# Altium PCB BLDC_DRV_F1.PcbDoc (continued)
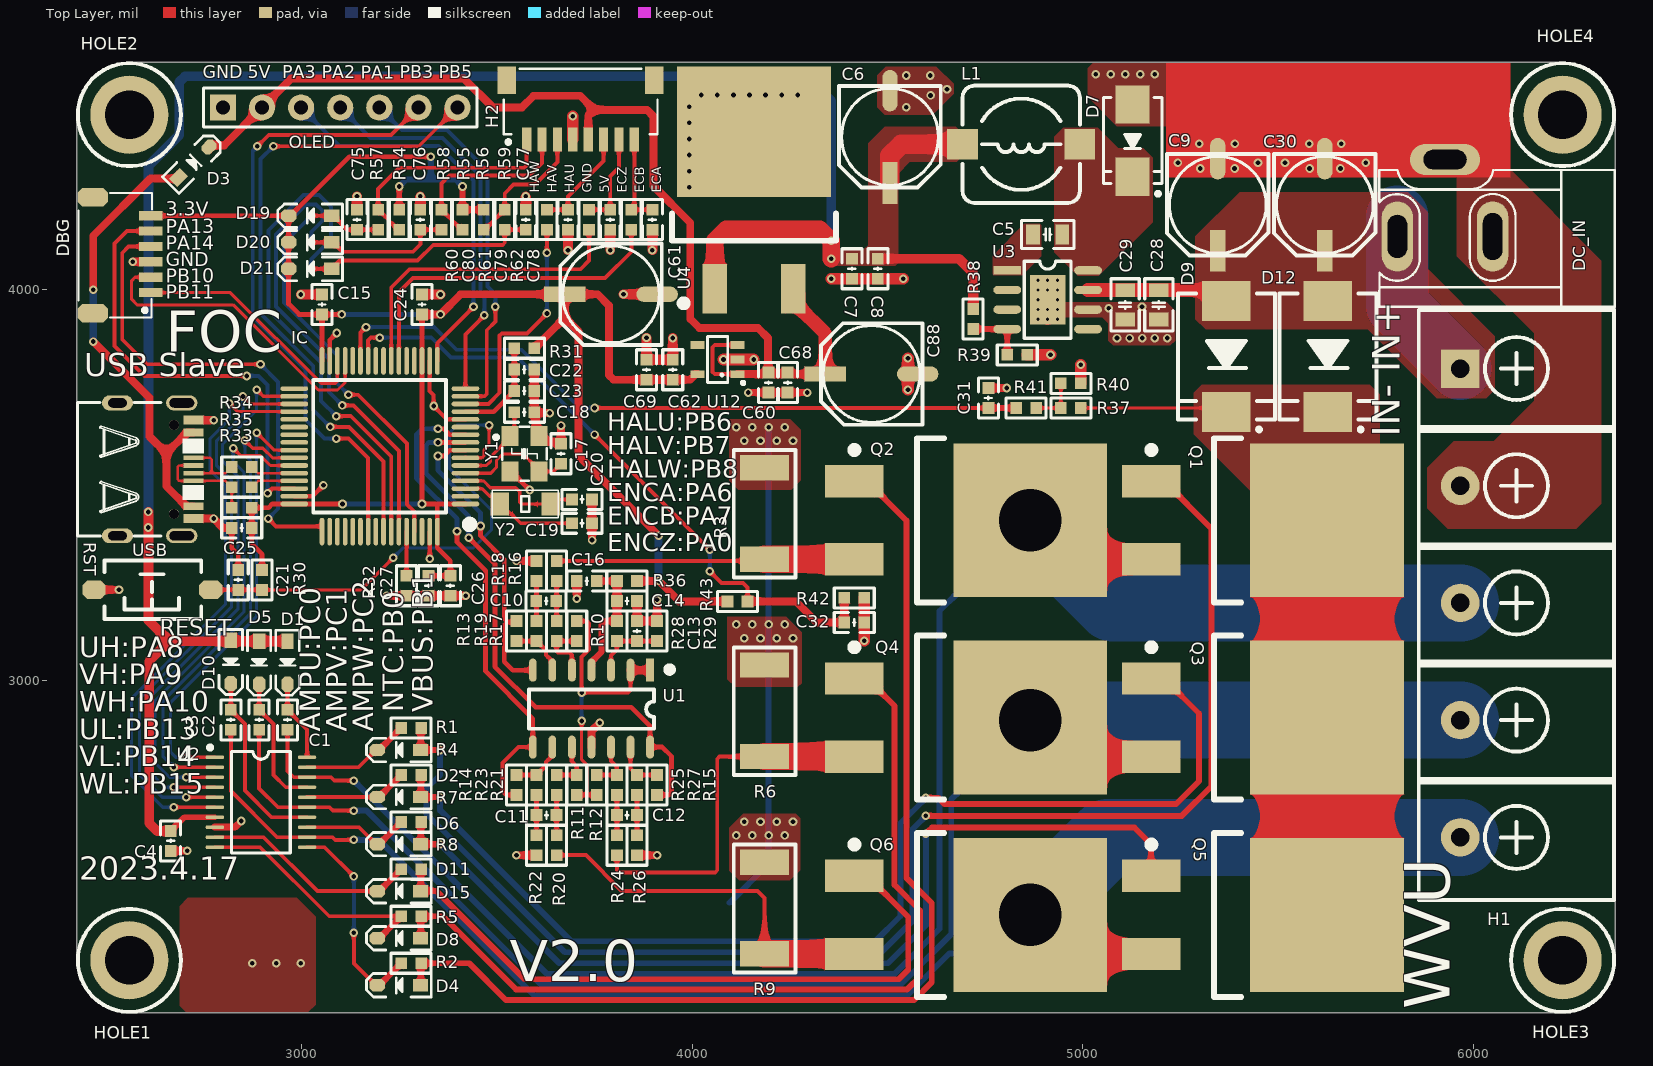
[diagram p0: Top Layer view]
## Nets (pads, with @x,y where several pads share a name; then routed paths per layer and width w, separated by ;. In a path a pad name is that pad's centre, name@x,y a point inside that pad or via, vN(x,y) a via of type N, cw(c..) or ccw(c..) an arc to the next point about the centre after c; other vN are vias at no path point)
BOOT0: IC.60 R32.1 | length 112.9
  Top Layer w10: R32.1 IC.60
CURRENT_U: Q2.3 R3.2 R16.1 | length 763.3
  Top Layer w10: R16.1 4180.7,3306.59 R3.2
  Top Layer w70: R3.2 4413.9,3310.89 Q2.3
CURRENT_V: Q4.3 R6.2 R24.1 | length 938.2
  Top Layer w10: R24.1 3807.14,2514.86 3813,2509 4058.14,2509 4064,2514.86 4064,2800.03 4069.86,2805.89 R6.2
  Top Layer w70: R6.2 4413.9,2805.89 Q4.3
CURRENT_W: Q6.3 R9.2 R20.1 | length 949.9
  Top Layer w10: R20.1 3727.59,2553.41 3819,2462 4167,2462 4185,2444 R9.2
  Top Layer w70: R9.2 4413.9,2300.89 Q6.3
DGND: C4.1 C6.2 C7.1 C8.1 C9.2 C13.2 C14.2 C15.2 C16.2 C17.1 C18.1 C19.1 C20.1 C21.2 C22.2 C23.2 C24.2 C25.2 C26.2 C27.2 C28.1 C29.1 C30.2 C31.1 C32.1 C60.2 C61.2 C62.2 C68.2 C69.2 C75.2 C76.2 C77.2 C78.2 C79.2 C80.2 C88.2 D7.1 DBG.3 DC_IN.2 DC_IN.3 H1.2 H2.4 IC.12 IC.18 IC.31 IC.47 IC.63 OLED.1 R3.1 R6.1 R9.1 R18.1 R22.1 R26.1 R29.2 R32.2 R39.1 R40.2 R42.1 RST.2 U1.11 U2.8 U3.6 U3.9 U4.2 U12.2 USB.1 USB.12 USB.SH1 USB.SH2 USB.SH3 USB.SH4 Y1.2 Y1.4 | length 4839.5
  Top Layer w10: IC.18 3327.95,3741.05 3338,3731 v1(3338,3703) 3372.1,3668.9 IC.12
  Top Layer w12: C25.2 2821.41,3339.59 2838,3323 C21.2 ; IC.47 3028.05,3472.05 v1(3056,3500) ; IC.31 3072.05,3872.05 v1(3090,3890) ; v1(3327.95,3312) IC.63 ; Y1.2@3534.87,3537.13 v1(3584,3488)
  Top Layer w18: C4.1 v1(2707.41,2564.41) ; U2.8 2830.02,2625.02 v1(2846,2641) ; v1(4143.41,3737.41) C60.2 C68.2 v1(4294.59,3737.41)
  Top Layer w20: RST.2 v1(2532.8,3232.8) ; v1(2568,4072) DBG.3 ; USB.12 v1(2775,3414.96) 2798.96,3391 C25.2 ; USB.1 v1(2775,3666.93) ; v1(3218.01,3217.41) R32.2 C27.2 C26.2 v1(3420.59,3217.41) ; v1(3550,2553.41) R22.1 ; v1(3550,3306.59) R18.1 ; C22.2 C23.2 C18.1 C18.1@3597.44,3685.38 ; v1(3635,3685) 3634.62,3685.38 C18.1@3597.44,3685.38 ; v1(3664,3653) C17.1 3659,3611.59 3619.65,3611.59 3608,3623.25 Y1.4 3600,3634 3600,3682.82 C18.1@3597.44,3685.38 ; v1(3704.41,3209.59) C16.2 ; U1.11 3742,2871.28 v1(3763.36,2892.64) ; v1(3743.59,3360) C19.1 C20.1 ; R26.1 v1(3910,2553.41) ; C13.2 R29.2 v1(3910,3207) ; C13.2 C14.2 ; C31.1 v1(4805,3749.18) ; D7.1@5127,4468.88 D7.1
  Top Layer w25: v1(2998,3988.59) C15.2 ; C75.2 v1(3142,4240) ; C76.2 v1(3304,4240) ; C24.2 v1(3355.59,3988.59) ; C77.2 v1(3574,4240) ; v1(3682,4102) C80.2 ; v1(3790,4102) C79.2 ; v1(3824,3989) C61.2 ; v1(3883,3878) C69.2 C62.2 v1(3950,3877) ; v1(3898,4102) C78.2
  Top Layer w30: H2.4 v1(3694.32,4444.69) ; v1(4080,3822) U12.2 v1(4157,3822) ; v2(4356,4028.82) C7.1 C8.1 v2(4540,4028.82) ; v1(4440.18,3102) 4440.18,3150 R42.1 ; v1(4552,3745) v1(4552,3825) ; R39.1 v1(4917,3834) ; v3(4909.65,3925) v3(4909.65,3950) U3.9 ; R40.2 v1(4994.59,3809)
  Bottom Layer w15: 4095.69,2431.69 4195.39,2531.39 v1(4195.39,2604) v1(4195.39,3144) v1(4195.39,3649)
  other v1: 2874,2277 2935,2277 2998,2277 4112.26,2604 4153.83,2604 4236.96,2604 4133.04,2639 4174.61,2639 4216.17,2639 4257.74,2639 4133.04,3109 4174.61,3109 4216.17,3109 4257.74,3109 4112.26,3144 4153.83,3144 4236.96,3144 4133.04,3614 4174.61,3614 4216.17,3614 4257.74,3614 4112.26,3649 4153.83,3649 4236.96,3649 5087,3877 5119.25,3877 5151.5,3877 5183.75,3877 5216,3877 5066,3953 5151,3957 5300,4311 5388,4311 5580,4311 5659,4311 5243,4326 5448,4326 5517,4326 5724,4326 5298,4374 5389,4374 5579,4374 5661,4374 4548,4468 4610,4498 4652,4514 4548,4549 4609,4549 5033,4552 5070.75,4552 5108.5,4552 5146.25,4552 5184,4552
  other v2: 3992,4263 3992,4304.2 3992,4345.4 3992,4386.6 3992,4427.8 3992,4469 4023,4499 4064.17,4499 4105.33,4499 4146.5,4499 4187.67,4499 4228.83,4499 4270,4499
  other v3: 4884.65,3925 4934.65,3925 4884.65,3950 4934.65,3950 4884.65,3975 4934.65,3975 4884.65,4000 4909.65,4000 4934.65,4000 4884.65,4025 4909.65,4025 4934.65,4025
ENCA: IC.22 R62.2 | length 870.5
  Top Layer w10: IC.22 3249.21,3995.21 3285,4031 3777,4031 3844,4098 R62.2
ENCB: IC.23 R61.2 | length 802.3
  Top Layer w10: IC.23 3229.53,4006.53 3276,4053 3714,4053 3736,4075 R61.2
ENCZ: IC.14 R60.2 | length 604.5
  Top Layer w10: IC.14 3478.27,3708.27 3507,3737 3507,3883.14 3512.86,3889 3577,3889 v1(3628,3940) ; v1(3628,4095) R60.2
  Bottom Layer w10: v1(3628,3940) v1(3628,4095)
HALLU: C77.1 D21.1 IC.58 R59.2 | length 1925.4
  Top Layer w10: v1(3025,4054) D21.1 3080.94,4054 3091.69,4064.75 3091.69,4068.69 3098,4075 3297,4075 3337,4115 3514.14,4115 3520,4120.86 R59.2 C77.1 ; v1(3089,3677) 3126,3677 3229.53,3573.47 IC.58
  Bottom Layer w10: v1(3025,4054) 3025,4079 3075,4129 3075,4213 3045,4243 3005,4243 2915,4153 2915,3949 3050,3814 3050,3716 v1(3089,3677)
HALLV: C76.1 D20.1 IC.59 R58.2 | length 1544.4
  Top Layer w10: v1(3025,4122) D20.1 3080.94,4122 3104.94,4098 3285,4098 3304,4117 C76.1 R58.2 ; v1(3104.5,3704.5) 3132.5,3704.5 3249.21,3587.79 IC.59
  Bottom Layer w10: v1(3025,4122) 3025,4149 3053,4177 3053,4203 3037,4219 3012,4219 2935,4142 2935,3958 3070,3823 3070,3739 v1(3104.5,3704.5)
HALLW: C75.1 D19.1 IC.61 R57.2 | length 1177.2
  Top Layer w10: v1(3025,4190) D19.1 3080.94,4190 3103,4167.94 3103,4166 3114.59,4154.41 C75.1 R57.2 ; v1(3120,3732) 3145,3732 3270,3607 3270,3451 3288.58,3432.42 IC.61
  Bottom Layer w10: v1(3025,4190) 2955,4120 2955,3968 3090,3833 3090,3762 v1(3120,3732)
HO1: D2.2 R1.1 U2.19 | length 282.5
  Top Layer w10: U2.19 3146.11,2778.57 3190.22,2822.68 D2.2
  Top Layer w15: D2.2 3198.68,2822.68 R1.1
HO2: D6.2 R4.1 U2.16 | length 264.4
  Top Layer w10: U2.16 3014.19,2701.87 3193.81,2701.87 D6.2
  Top Layer w15: D6.2 3198.68,2702.22 R4.1
HO3: D11.2 R7.1 U2.13 | length 282.1
  Top Layer w10: U2.13 3146.96,2625.02 3190.22,2581.76 D11.2
  Top Layer w15: D11.2 3198.68,2581.76 R7.1
INA+: C13.1 R28.2 R29.1 U1.3 | length 183.5
  Top Layer w10: U1.3 3792,3064 3807.14,3079.14 R28.2 C13.1 R29.1
INA-: R10.2 R11.2 R12.2 U1.1 U1.2 | length 766.9
  Top Layer w8: v1(3717,2897) 3717,2798 3730,2785 3730,2707.41
  Top Layer w10: R11.2 3730,2707.41 R12.2 ; R10.2 3730.14,3152.59 3736,3146.73 3736,3080 3717,3061 v1(3717,2969.86) 3836.14,2969.86 3842,2975.72 U1.2
  Top Layer w20: U1.2 U1.1
  Bottom Layer w10: v1(3717,2897) v1(3717,2969.86)
INB+: R10.1 R17.2 U1.5 | length 159.1
  Top Layer w10: U1.5 3692,3066 3686,3072 3656.85,3072 3652.85,3076 R17.2 R10.1
INB-: R13.1 R19.2 U1.6 | length 142.6
  Top Layer w10: R13.1 R19.2 3625.79,3077.05 3625.79,3065.52 3642,3049.31 U1.6
INC+: R11.1 R21.2 U1.10 | length 128.1
  Top Layer w10: R21.2 R11.1 3704.28,2780.72 3692,2793 U1.10
INC-: R14.1 R23.2 U1.9 | length 139.8
  Top Layer w10: R14.1 R23.2 3625.79,2782.95 3625.79,2791.63 3642,2807.84 U1.9
IND+: R12.1 R25.2 U1.12 | length 129.3
  Top Layer w10: R12.1 R25.2 3807.14,2779 3792,2794.14 U1.12
IND-: R15.1 R27.2 U1.13 | length 129.8
  Top Layer w10: U1.13 3842,2775.16 R27.2 R15.1
LO1: D4.2 R2.1 U2.11 | length 540.9
  Top Layer w10: U2.11 3059.16,2573.84 v1(3134,2499) ; v1(3134,2355) 3134,2276.61 3190.22,2220.4 D4.2
  Top Layer w15: D4.2 3198.68,2220.4 R2.1
  Bottom Layer w10: v1(3134,2355) v1(3134,2499)
LO2: D8.2 R5.1 U2.10 | length 634.5
  Top Layer w10: U2.10 2894.16,2573.84 3070.83,2397.17 R5.1 ; D8.2 D8.2@3198.68,2340.85
  Top Layer w15: D8.2@3198.68,2340.85 R5.1
LO3: D15.2 R8.1 U2.9 | length 557.7
  Top Layer w10: U2.9 2902.57,2599.43 3040.69,2461.31 D15.2
  Top Layer w15: D15.2 3198.68,2461.31 R8.1
MOTOR_U: C1.1 H1.3 Q1.3 Q2.2 U2.18 | length 4718.3
  Top Layer w10: C1.1 2964,2769 2980.02,2752.98 3075.02,2752.98 3083.78,2744.22 v1(3134,2744.22)
  Top Layer w80: v4(4865,3410.57) 4965,3310.57 Q1.3
  Bottom Layer w15: v1(3134,2744.22) 3629.22,2249 4517,2249 4633,2365 4633,3178.57 v4(4865,3410.57)
  Bottom Layer w196.85: v4(4865,3410.57) 4865.85,3410.57 5077.43,3199 H1.3
MOTOR_V: C2.1 H1.4 Q3.3 Q4.2 U2.15 | length 4266.7
  Top Layer w10: C2.1 2891.5,2724.5 2939.8,2676.2 U2.15 3071.8,2676.2 3080.55,2667.45 v1(3134,2667.45)
  Top Layer w80: Q4.2 4965,2805.57 Q3.3
  Bottom Layer w15: v1(3134,2667.45) 3166.55,2667.45 3613,2221 4533,2221 4663,2351 4663,2697 v4(4865,2899)
  Bottom Layer w196.85: v4(4865,2899) H1.4
MOTOR_W: C3.1 H1.5 Q5.3 Q6.2 U2.12 | length 4039.2
  Top Layer w10: C3.1 2819,2718 2937.57,2599.43 U2.12 3079.57,2599.43 3086.36,2592.64 v1(3134,2592.64)
  Top Layer w80: v4(4865,2400.57) 4965,2300.57 Q5.3
  Bottom Layer w15: v1(3134,2592.64) 3197.36,2592.64 3597,2193 4549,2193 4658,2302 4766.43,2302 v4(4865,2400.57)
  Bottom Layer w196.85: v4(4865,2400.57) 5063.43,2599 H1.5
NetC5_1: C5.1 D7.2 L1.1 U3.8
NetC5_2: C5.2 U3.1
NetC10_1: C10.1 R16.2 R17.1 | length 102.8
  Top Layer w10: R17.1 R16.2
NetC10_2: C10.2 R18.2 R19.1 | length 102.8
  Top Layer w10: R19.1 R18.2
NetC11_1: C11.1 R20.2 R21.1 | length 102.8
  Top Layer w10: R20.2 R21.1
NetC11_2: C11.2 R22.2 R23.1 | length 102.8
  Top Layer w10: R22.2 R23.1
NetC12_1: C12.1 R24.2 R25.1 | length 102.8
  Top Layer w10: R24.2 R25.1
NetC12_2: C12.2 R26.2 R27.1 | length 102.8
  Top Layer w10: R26.2 R27.1
NetC78_1: C78.1 H2.8 R62.1 | length 236.8
  Top Layer w10: H2.8 3851.8,4213.39 R62.1 C78.1
NetC79_1: C79.1 H2.7 R61.1 | length 242.9
  Top Layer w10: R61.1 C79.1 3790,4291 3812.43,4313.43 H2.7
NetC80_1: C80.1 H2.6 R60.1 | length 271.3
  Top Layer w10: R60.1 C80.1 3682,4239 3773.05,4330.06 H2.6
NetD2_1: D2.1 Q1.1 R1.2 | length 3619.2
  Top Layer w15: R1.2 3305.29,2878.1 3305.29,2823.57 D2.1 v1(3354.78,2822.68) ; v1(4598,2654) 5253,2654 5329,2730 5329,3389.25 5207.68,3510.57 Q1.1
  Bottom Layer w15: v1(3354.78,2822.68) 3354.78,2758.78 3320,2724 3320,2659 3674,2305 4484,2305 4563,2384 4563,2619 v1(4598,2654)
NetD4_1: D4.1 Q2.1 R2.2 | length 2805.9
  Top Layer w15: D4.1 3305.29,2221.29 3305.29,2275.82 R2.2 3429.29,2276.71 3523,2183 4568,2183 4613,2228 4613,2431 4548,2496 4548,3410.25 4481.52,3476.73 4447.68,3510.57 Q2.1
NetD6_1: D6.1 Q3.1 R4.2 | length 2877.5
  Top Layer w15: R4.2 3305.29,2757.64 3305.29,2703.12 D6.1 v1(3354.78,2702.22) ; v1(4598,2700) 4630,2700 4646,2684 5238,2684 5297,2743 5297,2916.25 5207.68,3005.57 Q3.1
  Bottom Layer w15: v1(3354.78,2702.22) 3354.78,2668.22 3690,2333 4468,2333 4533,2398 4533,2635 v1(4598,2700)
NetD8_1: D8.1 Q4.1 R5.2 | length 2277.2
  Top Layer w15: D8.1 3305.29,2341.75 3305.29,2396.27 R5.2 3361.83,2397.17 3549,2210 4550,2210 4583,2243 4583,2412 4518,2477 4518,2935.25 4447.68,3005.57 Q4.1
NetD11_1: D11.1 Q5.1 R7.2 | length 2432.6
  Top Layer w15: R7.2 3305.29,2637.19 3305.29,2582.66 D11.1 v1(3354.78,2581.76) ; v1(4598,2608) 4614,2624 5132,2624 5174.21,2581.79 Q5.1
  Bottom Layer w15: v1(3354.78,2581.76) 3659.54,2277 4501,2277 4598,2374 v1(4598,2608)
NetD15_1: D15.1 Q6.1 R8.2 | length 1725.9
  Top Layer w15: D15.1 D15.1@3305.29,2462.2 ; R8.2 3305.29,2516.73 D15.1@3305.29,2462.2 ; Q6.1 4447.68,2500.57 4553,2395.25 4553,2260.28 4528.72,2236 3571,2236 3344.8,2462.2 D15.1@3305.29,2462.2
NetH2_1: H2.1 R54.1 R57.1 | length 599.4
  Top Layer w10: R54.1 3240,4164.41 3237.18,4164.41 R57.1 3196,4258 3251,4313 3570.35,4313 3576.2,4318.86 H2.1
NetH2_2: H2.2 R55.1 R58.1 | length 482.2
  Top Layer w10: R55.1 3402,4164.41 3399.18,4164.41 R58.1 3358,4273 3378,4293 3584,4293 3615.57,4324.57 H2.2
NetH2_3: H2.3 R56.1 R59.1 | length 342.3
  Top Layer w10: R56.1 3476,4164.41 3478.82,4164.41 R59.1 3520,4247 3543,4270 3597,4270 3654.95,4327.94 H2.3
NetR33_1: R33.1 R35.1 USB.6 USB.8 | length 272.3
  Top Layer w6: USB.6 2686.51,3550.79 2683,3547.27 2683,3514.93 2686.51,3511.42 2804.99,3511.42 R35.1 R33.1
NetR34_1: R34.1 USB.5 USB.7 | length 189.1
  Top Layer w6: USB.7 2770,3531.1 ; USB.5 2765.53,3570.47 2770,3566 2770,3531.1 ; R34.1 2805.51,3531.1 2770,3531.1
NetR37_1: R37.1 R40.1 R41.2 | length 126.2
  Top Layer w8: R41.2 R37.1 R40.1
NetR38_2: R38.2 R39.2 U3.4 | length 153.3
  Top Layer w15: R38.2 U3.4 R39.2
OUTB: IC.8 R13.2 U1.7 | length 785.8
  Top Layer w10: R13.2@3547.41,3150 R13.2
  Top Layer w12: v1(3349.16,3575) 3364,3575 3379.06,3590.06 3419.41,3590.06 IC.8 ; v1(3458,3396) 3458,3371 3519,3310 3519,3158 3527,3150 ; R13.2@3547.41,3150 3527,3150 ; U1.7 3541,3027 3519,3049 3519,3142 3527,3150
  Bottom Layer w12: v1(3349.16,3575) 3349.16,3538.84 3458,3430 v1(3458,3396)
OUTC: IC.10 R14.2 U1.8 | length 1269
  Top Layer w10: R14.2 3522.59,2707.41 3514,2716 3514,2789 3555.15,2830.15 U1.8
  Top Layer w12: v1(3349.16,3645) 3364,3645 3379.38,3629.62 3419.41,3629.62 IC.10 ; v1(3398,3382.34) 3398,3354 3471,3281 3471,3024 3592,2903 U1.8
  Bottom Layer w12: v1(3349.16,3645) 3309,3645 3294,3630 3294,3518 3398,3414 v1(3398,3382.34)
OUTD: IC.9 R15.2 U1.14 | length 1453.1
  Top Layer w12: v1(3349.16,3609.84) IC.9 ; v1(3428,3366.18) 3495,3299.18 3495,3036 3599,2932 3844,2932 3892,2884 U1.14 3922.85,2830.15 3947,2806 3947,2715 3939.41,2707.41 R15.2
  Bottom Layer w12: v1(3349.16,3609.84) 3326.03,3609.84 3319,3602.81 3319,3530 3428,3421 v1(3428,3366.18)
PA1: IC.15 OLED.5 | length 989.6
  Top Layer w10: IC.15 3468.14,3727.95 3474,3733.81 3474,3897 3496,3919 v1(3496,3957)
  Bottom Layer w10: OLED.5 3257,4409 3372,4409 3476,4305 3476,4009 3496,3989 v1(3496,3957)
PA2: IC.16 OLED.4 | length 1000.1
  Top Layer w10: IC.16 3419.5,3886.5 v1(3468,3935)
  Bottom Layer w10: OLED.4 3177,4389 3361,4389 3458,4292 3458,3990 3468,3980 v1(3468,3935)
PA3: IC.17 OLED.3 | length 1018.2
  Top Layer w10: IC.17 3347.64,3864.64 v1(3440,3957)
  Bottom Layer w10: OLED.3 3097,4369 3351,4369 3440,4280 v1(3440,3957)
PA4: IC.20
PA5: IC.21
PA8: IC.41 U2.1 | length 1142.4
  Top Layer w8: v1(2705,2804.16) U2.1 ; v1(2885,3635) 2929.84,3590.16 IC.41
  Bottom Layer w8: v1(2705,2804.16) 2677.84,2804.16 2665,2817 2665,2945 2885,3165 v1(2885,3635)
PA9: IC.42 U2.2 | length 1196.4
  Top Layer w8: v1(2673,2778.57) U2.2 ; v1(2855,3615) 2875,3595 2901,3595 2925.53,3570.47 IC.42
  Bottom Layer w8: v1(2673,2778.57) 2645,2806.57 2645,2947 2869,3171 2869,3564 2855,3578 v1(2855,3615)
PA10: IC.43 U2.3 | length 1254.1
  Top Layer w8: v1(2705,2752.98) U2.3 ; v1(2825,3595) 2844,3576 2895,3576 2920.21,3550.79 IC.43
  Bottom Layer w8: v1(2705,2752.98) 2662.03,2752.98 2625,2790 2625,2949 2853,3177 2853,3533 2825,3561 v1(2825,3595)
PA13: DBG.5 IC.46 | length 1152
  Top Layer w10: DBG.5 2613.61,4151 2553,4151 2521,4119 2521,3857 2598,3780 v1(2860,3780) ; v1(2913,3480) 2924.73,3491.73 IC.46
  Bottom Layer w10: v1(2860,3780) 2890,3780 2913,3757 v1(2913,3480)
PA14: DBG.4 IC.49 | length 1264.4
  Top Layer w10: DBG.4 2557.37,4111.37 2541,4095 2541,3873 2604,3810 v1(2895,3810) ; v1(2915,3415) 2935,3395 3051.53,3395 3052.36,3394.16 IC.49
  Bottom Layer w10: v1(2895,3810) 2940,3765 2940,3440 v1(2915,3415)
PA15: IC.50
PB0: C32.2 IC.26 R42.2 R43.1 | length 1691.5
  Top Layer w10: IC.26 3170.47,3870.47 3178,3878 v1(3200,3878) ; v1(3750,3630) v1(4045,3335) ; v1(4045,3280) 4075,3250 4130,3250 4141.59,3238.41 R43.1
  Top Layer w20: R43.1 4265,3203 4319,3149 C32.2 R42.2
  Bottom Layer w10: v1(3200,3878) 3332,3878 3383,3827 3553,3827 v1(3750,3630) ; v1(4045,3280) v1(4045,3335)
PB1: C31.2 IC.27 R41.1 | length 1842.1
  Top Layer w10: IC.27 3150.79,3890.79 v1(3165,3905) ; v1(3750,3698) C31.2
  Top Layer w15: C31.2 R41.1
  Bottom Layer w10: v1(3165,3905) 3339,3905 3397,3847 3563,3847 3712,3698 v1(3750,3698)
PB2: IC.28
PB3: IC.55 OLED.6 | length 1603.2
  Top Layer w10: v1(2887,4368) 2916,4397 3229,4397 OLED.6 ; v1(3089,3619.7) 3120.3,3619.7 3170.47,3569.53 IC.55
  Bottom Layer w10: v1(2887,4368) 2875,4356 2875,3931 3010,3796 3010,3668 3058.3,3619.7 v1(3089,3619.7)
PB4: IC.56
PB5: IC.57 OLED.7 | length 1670.7
  Top Layer w10: v1(2928,4368) 3300,4368 OLED.7 ; v1(3073.5,3649.5) 3121.5,3649.5 3209.84,3561.16 IC.57
  Bottom Layer w10: v1(2928,4368) 2895,4335 2895,3940 3030,3805 3030,3693 v1(3073.5,3649.5)
PB9: IC.62
PB10: DBG.2 IC.29 | length 806.1
  Top Layer w8: DBG.2 2573.63,4032.63 2565,4024 2565,3976 2579,3962 2825,3962 3043,3744 3092,3744 3111.42,3763.42 IC.29
PB11: DBG.1 IC.30 | length 628.8
  Top Layer w8: DBG.1 2817.74,3993.26 3050,3761 3087.05,3761 3091.73,3765.69 IC.30
PB12: IC.33
PB13: IC.34 U2.4 | length 1415.6
  Top Layer w8: v1(2673,2727.39) U2.4 ; v1(2885,3745) 2902.05,3727.95 IC.34
  Bottom Layer w8: v1(2673,2727.39) 2650.61,2727.39 2605,2773 2605,2951 2837,3183 2837,3523 2798,3562 2798,3606 2885,3693 v1(2885,3745)
PB14: IC.35 U2.5 | length 1466
  Top Layer w8: v1(2705,2701.8) U2.5 ; v1(2850,3727.5) 2869.23,3708.27 IC.35
  Bottom Layer w8: v1(2705,2701.8) 2643.2,2701.8 2585,2760 2585,2953 2821,3189 2821,3512 2782,3551 2782,3613 2850,3681 v1(2850,3727.5)
PB15: IC.36 U2.6 | length 1511.2
  Top Layer w8: v1(2673,2676.2) U2.6 ; v1(2815,3710) 2836.42,3688.58 IC.36
  Bottom Layer w8: v1(2673,2676.2) 2644.8,2676.2 2565,2756 2565,2955 2805,3195 2805,3499 2766,3538 2766,3620 2815,3669 v1(2815,3710)
PC3: IC.11
PC4: IC.24
PC5: IC.25
PC6: IC.37
PC7: IC.38
PC8: IC.39
PC9: IC.40
PC10: IC.51
PC11: IC.52
PC12: IC.53
PC13: IC.2
PC14: C19.2 IC.3 Y2.1 | length 312.8
  Top Layer w8: IC.3 3462.27,3491.73 3483,3471 3497.93,3471 3511.64,3457.28 3511.64,3452 3560.64,3403 C19.2
PC15: C20.2 IC.4 Y2.2 | length 322.3
  Top Layer w8: IC.4 3465.58,3511.42 3483,3494 3548,3494 3558.5,3483.5 3558.5,3456.69 3563.19,3452 Y2.2@3633.38,3452 ; Y2.2 Y2.2@3633.38,3452 ; C20.2 3645.38,3464 3635.42,3454.05 Y2.2@3633.38,3452
PD0: C17.2 IC.5 Y1.3 | length 304.3
  Top Layer w8: IC.5 3484.1,3531.1 3499,3546 3499,3564 3515,3580 3567,3580 3589.96,3557.04 3590.35,3557.04 3608,3539.39 Y1.3 3644.03,3535.45 C17.2
PD1: C18.2 IC.6 Y1.1 | length 219.4
  Top Layer w8: IC.6 3473,3550.79 3483,3560.79 3483,3571.87 3533.2,3622.06 Y1.1 3544.64,3637.44 C18.2
PD2: IC.54
RESET: C21.1 IC.7 R30.1 RST.1 | length 1318.6
  Top Layer w8: R30.1 3152.41,3232.41 v1(3235,3315) ; IC.7@3419.85,3570.82 3462.31,3570.82 3467,3575.51 3467,3590.75 3480,3603.75 v1(3480,3654)
  Top Layer w10: RST.1 2898.61,3232.8 R30.1 ; IC.7 IC.7@3419.85,3570.82
  Bottom Layer w8: v1(3235,3315) 3260,3340 3440,3340 3486,3386 3486,3436 3378,3544 3378,3633.93 3398.07,3654 v1(3480,3654)
USB_N: IC.44 R34.2 | length 115.5
  Top Layer w6: R34.2 2888.48,3531.1 IC.44
USB_P: IC.45 R35.2 | length 115.7
  Top Layer w6: R35.2 2889.01,3511.42 IC.45
VAMP: C14.1 C16.1 R28.1 R36.2 U1.4 | length 324.6
  Top Layer w15: U1.4 3742,3047.95 U1.4@3744.34,3050.3 ; U1.4@3744.34,3050.34 3768,3074 3768,3143 3777.59,3152.59 R28.1 ; C16.1 3755.8,3255.21 3807.2,3255.21 3807.27,3255.28 R36.2
  Top Layer w20: R28.1 3807.27,3152.72 R36.2@3807.27,3255.28
VB1: C1.2 D1.2 U2.20 | length 207.4
  Top Layer w10: D1.2 C1.2 3014.11,2875.23 U2.20
VB2: C2.2 D5.2 U2.17 | length 346.1
  Top Layer w10: D5.2 C2.2 2928,2888.84 2928,2759 2959.61,2727.39 U2.17
VB3: C3.2 D10.2 U2.14 | length 476.2
  Top Layer w10: D10.2 C3.2 2855,2889.34 2855,2719 2923.39,2650.61 U2.14
VBRG: D9.2 D12.2 Q1.2 Q3.2 Q5.2 R37.2 | length 1386.4
  Top Layer w8: R37.2 5357.27,3698 D9.2
  Top Layer w314.96: Q5.2 Q3.2 Q1.2
VCC3.3A: C22.1 C23.1 IC.13 R31.2 | length 256.5
  Top Layer w12: IC.13 3491.55,3688.58 C23.1 C22.1 R31.2
VCC3.3V: C15.1 C24.1 C25.1 C26.1 C27.1 C61.1 C62.1 C69.1 D19.2 D20.2 D21.2 DBG.6 IC.1 IC.19 IC.32 IC.48 IC.64 R30.2 R31.1 R33.2 R36.1 R43.2 R54.2 R55.2 R56.2 U12.5 | length 5518.2
  Top Layer w12: DBG.6 DBG.6 2966.71,4190.06 D19.2 ; R30.2 2899,3324 2872.59,3350.41 C25.1 R33.2 2916,3443 2925.37,3452.36 IC.48 v1(3104.86,3452.36) ; IC.32 C15.1 ; v1(3102.59,3937.41) C15.1 ; C24.1 IC.19 v1(3308.27,3452.36) 3348,3452.36 IC.1 ; C27.1 C26.1 3381,3307 3347.64,3340.36 IC.64 3347.64,3452 ; v1(3331,4341) 3121.7,4341 2970.7,4190 D19.2 ; D19.2 D20.2 2966.76,3964.24 2993.59,3937.41 C15.1
  Top Layer w15: R54.2 v1(3250,4265) ; v1(3412,4265) R55.2 R56.2
  Top Layer w20: C24.1 v1(3355.59,3937.41) 3407.18,3989 C61.1 ; R31.1 3673.89,3929.07 ; R36.1 v1(3914,3255.41) 3966.41,3203 R43.2 ; v1(3914,3371) 3709,3576 3709,3893.96 3673.89,3929.07 ; U12.5 4006.26,3784.6 4006.1,3784.44 4006.1,3782.12 3994.39,3770.41 C62.1 C69.1 3798.72,3770.41 3787,3782.12 3787,3960 3758,3989 C61.1 ; 3673.89,3929.07 C61.1
  Bottom Layer w12: v1(3102.59,3937.41) v1(3355.59,3937.41) ; v1(3104.86,3452.36) v1(3308.27,3452.36)
  Bottom Layer w15: v1(3250,4265) 3268,4283 3331,4283 ; v1(3331,4341) 3331,4283 ; v1(3412,4265) 3394,4283 3331,4283
  Bottom Layer w20: v1(3914,3255.41) 3914.59,3255.41 3914,3256 v1(3914,3371)
VCC5V: C60.1 C68.1 C88.1 D3.2 H2.5 OLED.2 U4.3 U12.1 U12.3 | length 2896.4
  Top Layer w10: U12.1 4057.86,3784.6 4052,3790.46 4052,3853.54 4057.86,3859.4 U12.3
  Top Layer w20: D3.2 2767.18,4370.18 2802.18,4370.18 OLED.2 2973,4541 3416,4541 3490,4467 3564,4467 3594,4497 3713,4497 3749,4461 ; H2.5 3733.68,4445.69 3749,4461 ; U12.1 4116.34,3784.76 4194,3784.76 4244,3784.76 C88.1@4340.65,3784.76 ; C60.1 4194,3789.59 4194,3877 4168,3903 4018,3903 3995,3926 3995,4172 3901,4266 3901,4444 3884,4461 3749,4461
  Top Layer w35: U4.3 4272,3989.33 4272,3957 4340.65,3888.35 C88.1@4340.65,3784.76
VCC10V: C4.2 C6.1 C7.2 C8.2 D1.1 D5.1 D10.1 L1.2 R38.1 U2.7 U4.1 | length 5681.2
  Top Layer w15: C4.2 2700.03,2650.61 U2.7
  Top Layer w25: v1(2608,3432) v1(2608,3392) 2608,3154.11 2661.06,3101.06 ; C4.2 2630.41,2615.59 2610,2636 2610,3050 2661.06,3101.06 ; D1.1 D5.1 2661.06,3101.06 ; C8.2 4683,4080 4719,4044 R38.1
  Top Layer w45: U4.1 4058,4125.71 4087.29,4155 4326.71,4155 v2(4356,4125.71) v1(4356,4080)
  Top Layer w50: C6.1 4506,4343.71 4535.29,4373 L1.2
  Bottom Layer w25: v1(2608,3432) 2608,4318 2687,4397 2687,4532.36 2701.64,4547 4293,4547 4356,4484 v2(4356,4125.71) v1(4356,4080)
VPWR: C9.1 C28.2 C29.2 C30.1 D9.1 D12.1 DC_IN.1 H1.1 U3.7 | length 781.5
  Top Layer w35: U3.7 D9.1@5338.73,4000
  Bottom Layer w160: DC_IN.1@5804.62,4188 DC_IN.1 5804.62,3960.19 H1.1
VUSB: D3.1 USB.2 USB.11 | length 1179.3
  Top Layer w20: v1(2467,3868) 2611,3724 2611,3625.19 2654,3582.19 ; v1(2467,4001) 2467,4139 2613.24,4285.24 2682.24,4285.24 D3.1 ; USB.11 2705.54,3446.46 2654,3498 2654,3582.19 ; USB.2 2707.24,3635.43 2654,3582.19
  Bottom Layer w20: v1(2467,3868) v1(2467,4001)
pads on no net: DBG.A DBG.B H2.0 HOLE1.1 HOLE2.1 HOLE3.1 HOLE4.1 U3.2 U3.3 U3.5 U12.4 USB.

## Polygon pours and split planes (outlines as drawn)
VCC10V on Top Layer "NONET_L-01_P-001" (solid, remove dead copper, pour order 39): 4675,4418 4493,4418 4450,4375 4450,4115 4438,4103 4356.14,4103 4343,4089.86 4343,4068 4349,4062 4519,4062 4527,4070 4527,4298 4557,4328 4677,4328 4692,4343 4692,4401
DGND on Top Layer "NONET_L-01_P-001" (solid, remove dead copper, pour order 37): 2709,2444 2988,2444 3036,2396 3036,2171 3015,2150 2706,2150 2688,2168 2688,2423
DGND on Top Layer "NONET_L-01_P-001" (solid, remove dead copper, pour order 36): 6082,4320 6327,4075 6327,3453 6263,3389 5934,3389 5881,3442 5881,3545 5949,3613 6052,3613 6155,3716 6155,3889 5957,4087 5957,4290 5987,4320
DGND on Top Layer "NONET_L-01_P-001" (solid, remove dead copper, pour order 31): 4493,4448 4615,4448 4669,4502 4669,4528 4625,4572 4514,4572 4495,4572 4473,4550 4473,4468
DGND on Top Layer "NONET_L-01_P-001" (solid, remove dead copper, pour order 30): 5213,4583 5027,4583 5012,4568 5012,4494 5087,4419 5226,4419 5233,4426 5233,4563
NetC5_2 on Top Layer "NONET_L-01_P-001" (solid, remove dead copper, pour order 28): 4845,4038 4893,4086 4893,4166 4890,4169 4850,4169 4769,4088 4769,4040 4771,4038
NetC5_1 on Top Layer "NONET_L-01_P-001" (solid, remove dead copper, pour order 27): 5213,4583
NetC5_1 on Top Layer "NONET_L-01_P-001" (solid, remove dead copper, pour order 26): 4949,4415 4926,4392 4926,4097 4987,4036 5040,4036 5178,4174 5178,4339 5154,4363 5090,4363 5038,4415
DGND on Top Layer "NONET_L-01_P-001" (solid, remove dead copper, pour order 25): 4934.65,3975 4940.65,3969 5214,3969 5236,3947 5236,3870 5224,3858 5077,3858 5065,3870 5065,3915 5050,3930 4946,3930 4934.65,3941.35
VPWR on Top Layer "NONET_L-01_P-001" (solid, remove dead copper, pour order 24): 5729,3899 5905,3723 6032,3723 6054,3745 6054,3882 5882,4054 5882,4200 5832,4250 5401,4250 5288,4137 5288,3925 5314,3899
VBRG on Top Layer "NONET_L-01_P-001" (solid, remove dead copper, pour order 23): 5679,3482 5759,3562 5759,3733 5734,3758 5304,3758 5283,3737 5283,3631 5432,3482
DGND on Top Layer "AutoNaming" (solid, remove dead copper, pour order 0): 4090,3164 4205,3164 4240,3164 4260,3144 4280,3124 4280,3089 4280,2994 4270,2984 4135,2984 4110,2984 4090,3004
DGND on Top Layer "AutoNaming" (solid, remove dead copper, pour order 4): 4095,3669 4251,3669 4278,3642 4278,3513 4254,3489 4190,3489 4118,3489 4095,3512 4095,3604
DGND on Top Layer "AutoNaming" (solid, remove dead copper, pour order 6): 4130,2659 4265,2659 4276,2648 4276,2515 4250,2489 4120,2489 4095,2514 4095,2564 4095,2624
DGND on Bottom Layer "NONET_L-01_P-001" (solid, remove dead copper, pour order 35): 2425,2287.8 2425,4445.2 cw(c2562.8,4445.2) 2562.8,4583 6224.21,4583 cw(c6224.21,4445.2) 6362.01,4445.2 6362.01,2287.8 cw(c6224.21,2287.8) 6224.21,2150 2562.8,2150 cw(c2562.8,2287.8)
DGND on Bottom Layer "NONET_L-01_P-001" (solid, remove dead copper, pour order 33): 4178,4583

## Other copper
Top Layer:
  rectangle net DGND: 5213,4288 6094,4430
  rectangle net DGND: 5213,4425 6094,4583
Bottom Layer:
  pour cut-out: 2999,4510.56 3416.52,4510.56 3442.56,4484.52 3442.56,4448.96 3347.82,4354.22 3050.71,4354.22 2972.48,4432.44
  pour cut-out: 4805,3554 4615,3364 4615,2293 4642,2266 4958,2266 5133,2441 6005,2441 6109,2545 6109,3251 5996,3364 5146,3364 4956,3554

## Silkscreen, mask and mechanical layers (free items; w line width, h text height)
Top Overlay:
  text "GND" at 2746.92,4530 h56
  text "5V" at 2862.87,4530 h56
  text "PA3" at 2950.86,4530 h56
  text "PA2" at 3051.19,4530 h56
  text "PB3" at 3251.19,4530 h56
  text "PB5" at 3350.86,4530 h56
  text "PA1" at 3150.99,4529.5 h56
  text "HAW" at 3617.18,4249.5 h42 r90
  text "HAV" at 3662.05,4249.5 h42 r90
  text "HAU" at 3706.92,4249.5 h42 r90
  text "GND" at 3751.78,4249.5 h42 r90
  text "5V" at 3796.65,4249.5 h42 r90
  text "ECZ" at 3841.52,4249.5 h42 r90
  text "ECB" at 3886.39,4249.5 h42 r90
  text "ECA" at 3929,4249.5 h42 r90
  text "3.3V" at 2652.01,4179.01 h60
  text "PA13" at 2651.99,4134.36 h60
  text "PA14" at 2651.99,4092.01 h60
  text "GND" at 2652.01,4049.69 h60
  text "PB10" at 2651.98,4007.34 h60
  text "PB11" at 2651.99,3965.76 h60
  text "FOC" at 2652.32,3807.55 h180
  text "USB Slave" at 2443.86,3759.63 h100
  text "HALU:PB6" at 3782.88,3623.98 h80
  text "IN- IN+" at 5834.44,3623.85 h120 r90
  text "HALV:PB7" at 3782.89,3563.98 h80
  text "HALW:PB8" at 3782.9,3504.02 h80
  text "ENCA:PA6" at 3782.84,3443.98 h80
  text "ENCB:PA7" at 3782.85,3383.98 h80
  text "ENCZ:PA0" at 3782.85,3316.02 h80
  text "RESET" at 2637.54,3101.45 h72
  text "UH:PA8" at 2430.92,3042.63 h90
  text "VH:PA9" at 2430.93,2972.68 h90
  text "NTC:PB0" at 3278.28,2919.79 h90 r90
  text "VBUS:PB1" at 3353.91,2919.84 h90 r90
  text "WH:PA10" at 2430.9,2902.68 h90
  text "AMPU:PC0" at 3066.28,2869.14 h90 r90
  text "AMPV:PC1" at 3133.37,2869.15 h90 r90
  text "AMPW:PC2" at 3201.32,2869.08 h90 r90
  text "UL:PB13" at 2430.88,2832.63 h90
  text "VL:PB14" at 2430.92,2762.63 h90
  text "WL:PB15" at 2430.91,2692.59 h90
  text "2023.4.17" at 2430.8,2471.02 h100
  text "V2.0" at 3532.6,2196.47 h180
  text "WVU" at 5977.48,2159.54 h200 r90
Bottom Overlay:
  text "IN+" at 6196.38,3645.6 h260 r270
  text "AMPU:PC0" at 3162.04,3418.95 h220
  text "HALU:PB6" at 3886.4,3418.65 h220
  text "UH:PA8" at 4540.11,3418.75 h220
  text "IN-" at 6196.38,3378.83 h260 r270
  text "AMPV:PC1" at 3162,3218.75 h220
  text "HALV:PB7" at 3886.39,3218.65 h220
  text "VH:PA9" at 4540.08,3218.85 h220
  text "U" at 6196.14,3156.27 h260 r270
  text "AMPW:PC2" at 3162.17,3018.85 h220
  text "HALW:PB8" at 3886.35,3018.75 h220
  text "WH:PA10" at 4540.13,3018.85 h220
  text "V" at 6196.38,2844.16 h260 r270
  text "NTC:PB0" at 3162.09,2818.95 h220
  text "ENCA:PA6" at 3886.52,2818.65 h220
  text "UL:PB13" at 4540.2,2818.75 h220
  text "ENCB:PA7" at 3886.48,2618.65 h220
  text "VL:PB14" at 4540.09,2618.75 h220
  text "VBUS:PB1" at 3161.95,2617.43 h220
  text "W" at 6196.38,2524.02 h260 r270
  text "ENCZ:PA0" at 3886.49,2418.75 h220
  text "WL:PB15" at 4540.12,2418.65 h220
Top Solder:
  text "DCIN:12~36V" at 5234.62,4455.43 h200
  text "V1.1" at 5630,4134 h120
  text "BLDC" at 2703.31,2319.61 h200
  text "Driver" at 2703.13,2179.71 h200
Bottom Solder:
  lines w100: 5804.62,4137 5804.62,3956.38 5808.42,3956.38 5965.81,3799
  lines w150: 4865,2400.57 5063.43,2599 5965.81,2599 ; 4865,2899 5965.81,2899 ; 4865,3410.57 5076.57,3199 5965.81,3199
Mechanical 1:
  the board outline again, w10